# Altium PCB PCB1.PcbDoc
Units mm, origin at the board's own origin, x right, y up, seen from the top; angles counter-clockwise.
Board outline 70.99 x 60.45 mm, 2 copper layers (Top Layer, Bottom Layer), stack 1.671 mm thick; 39 components, 40 nets, 178 pads, 226 vias.
Unrouted connection lines stored in the file: 1.
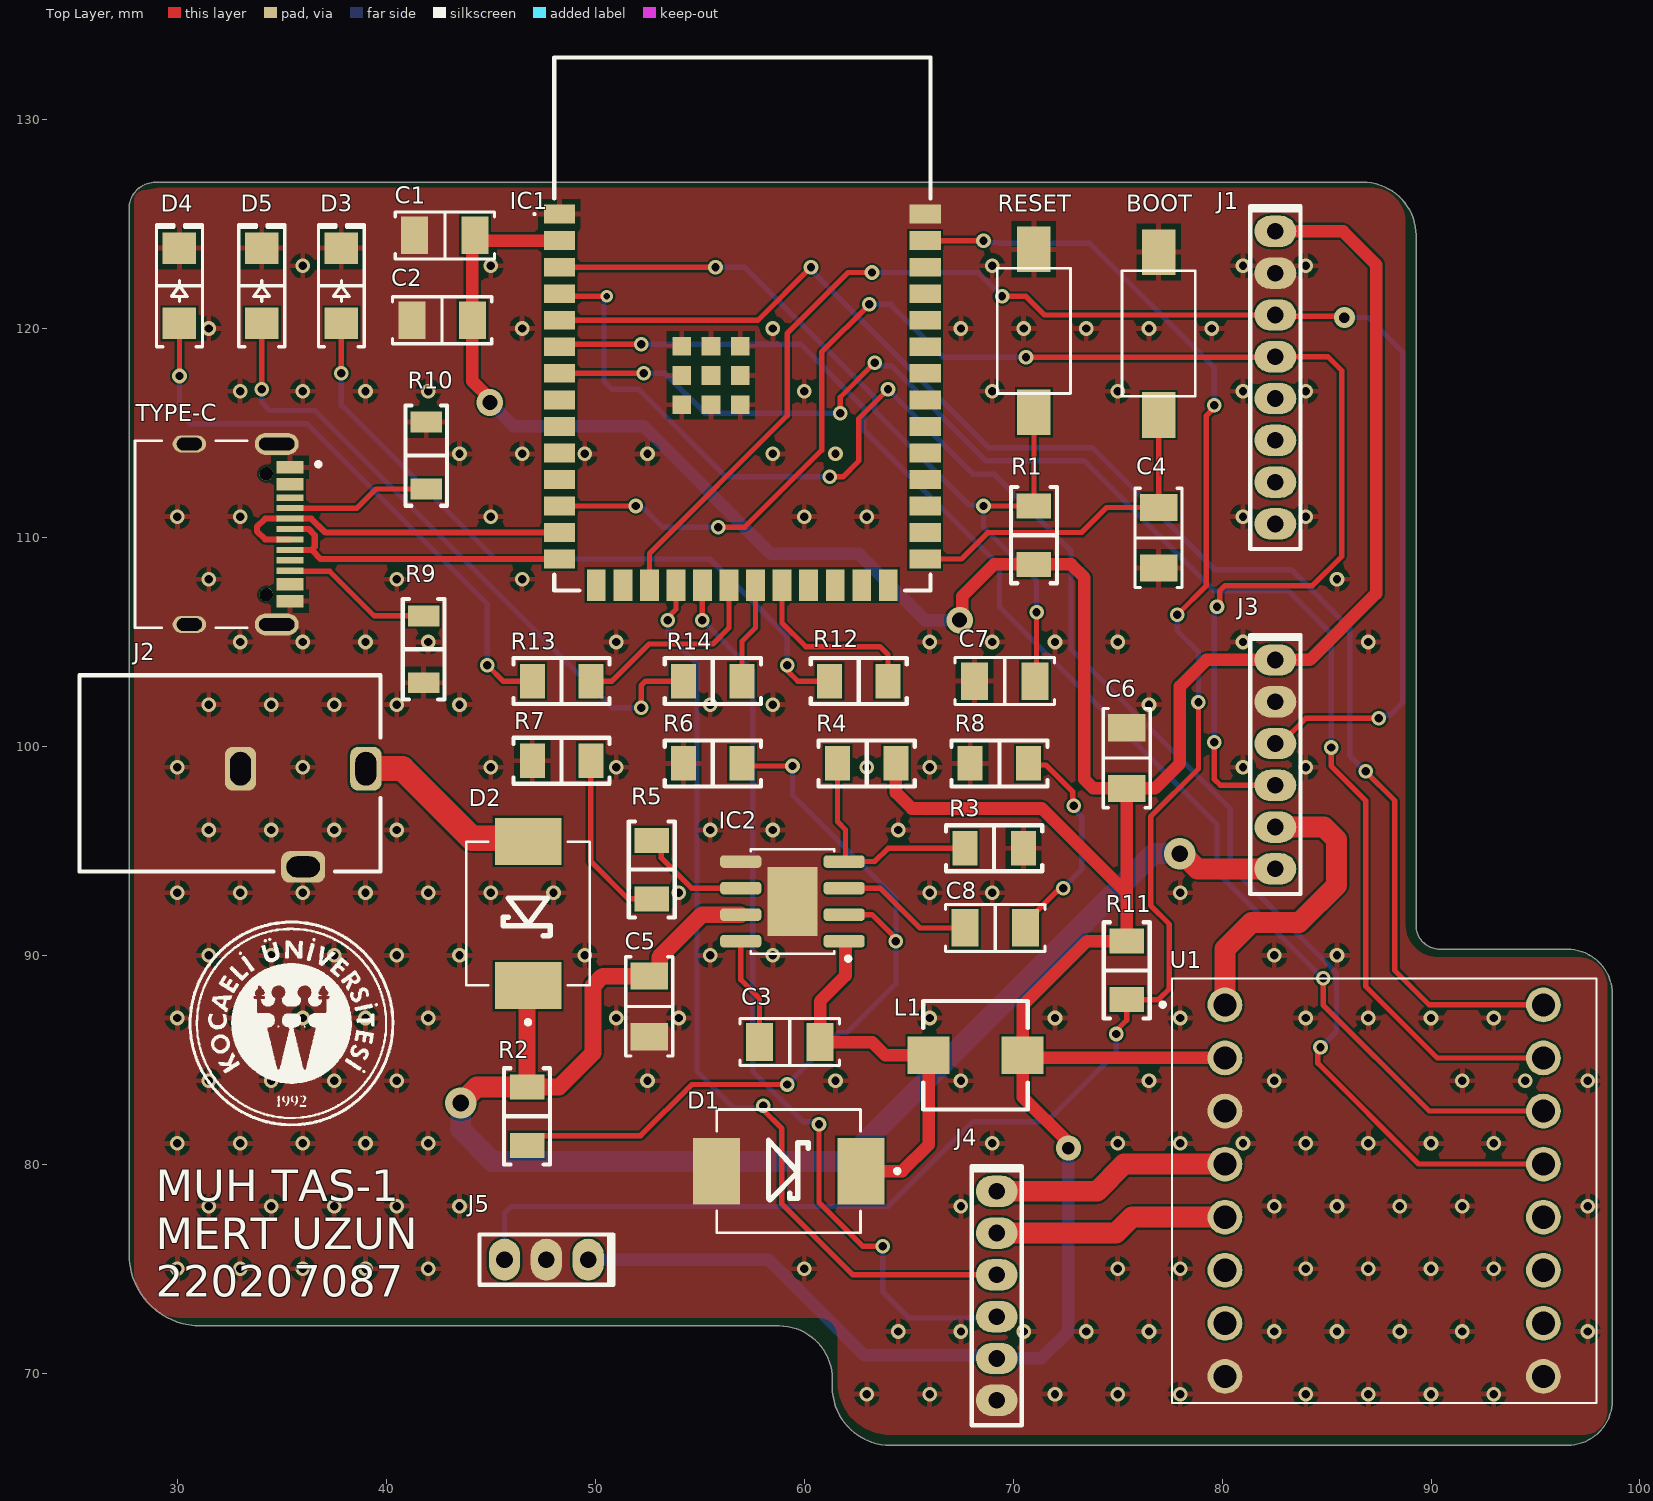
[diagram p0: Top Layer view]
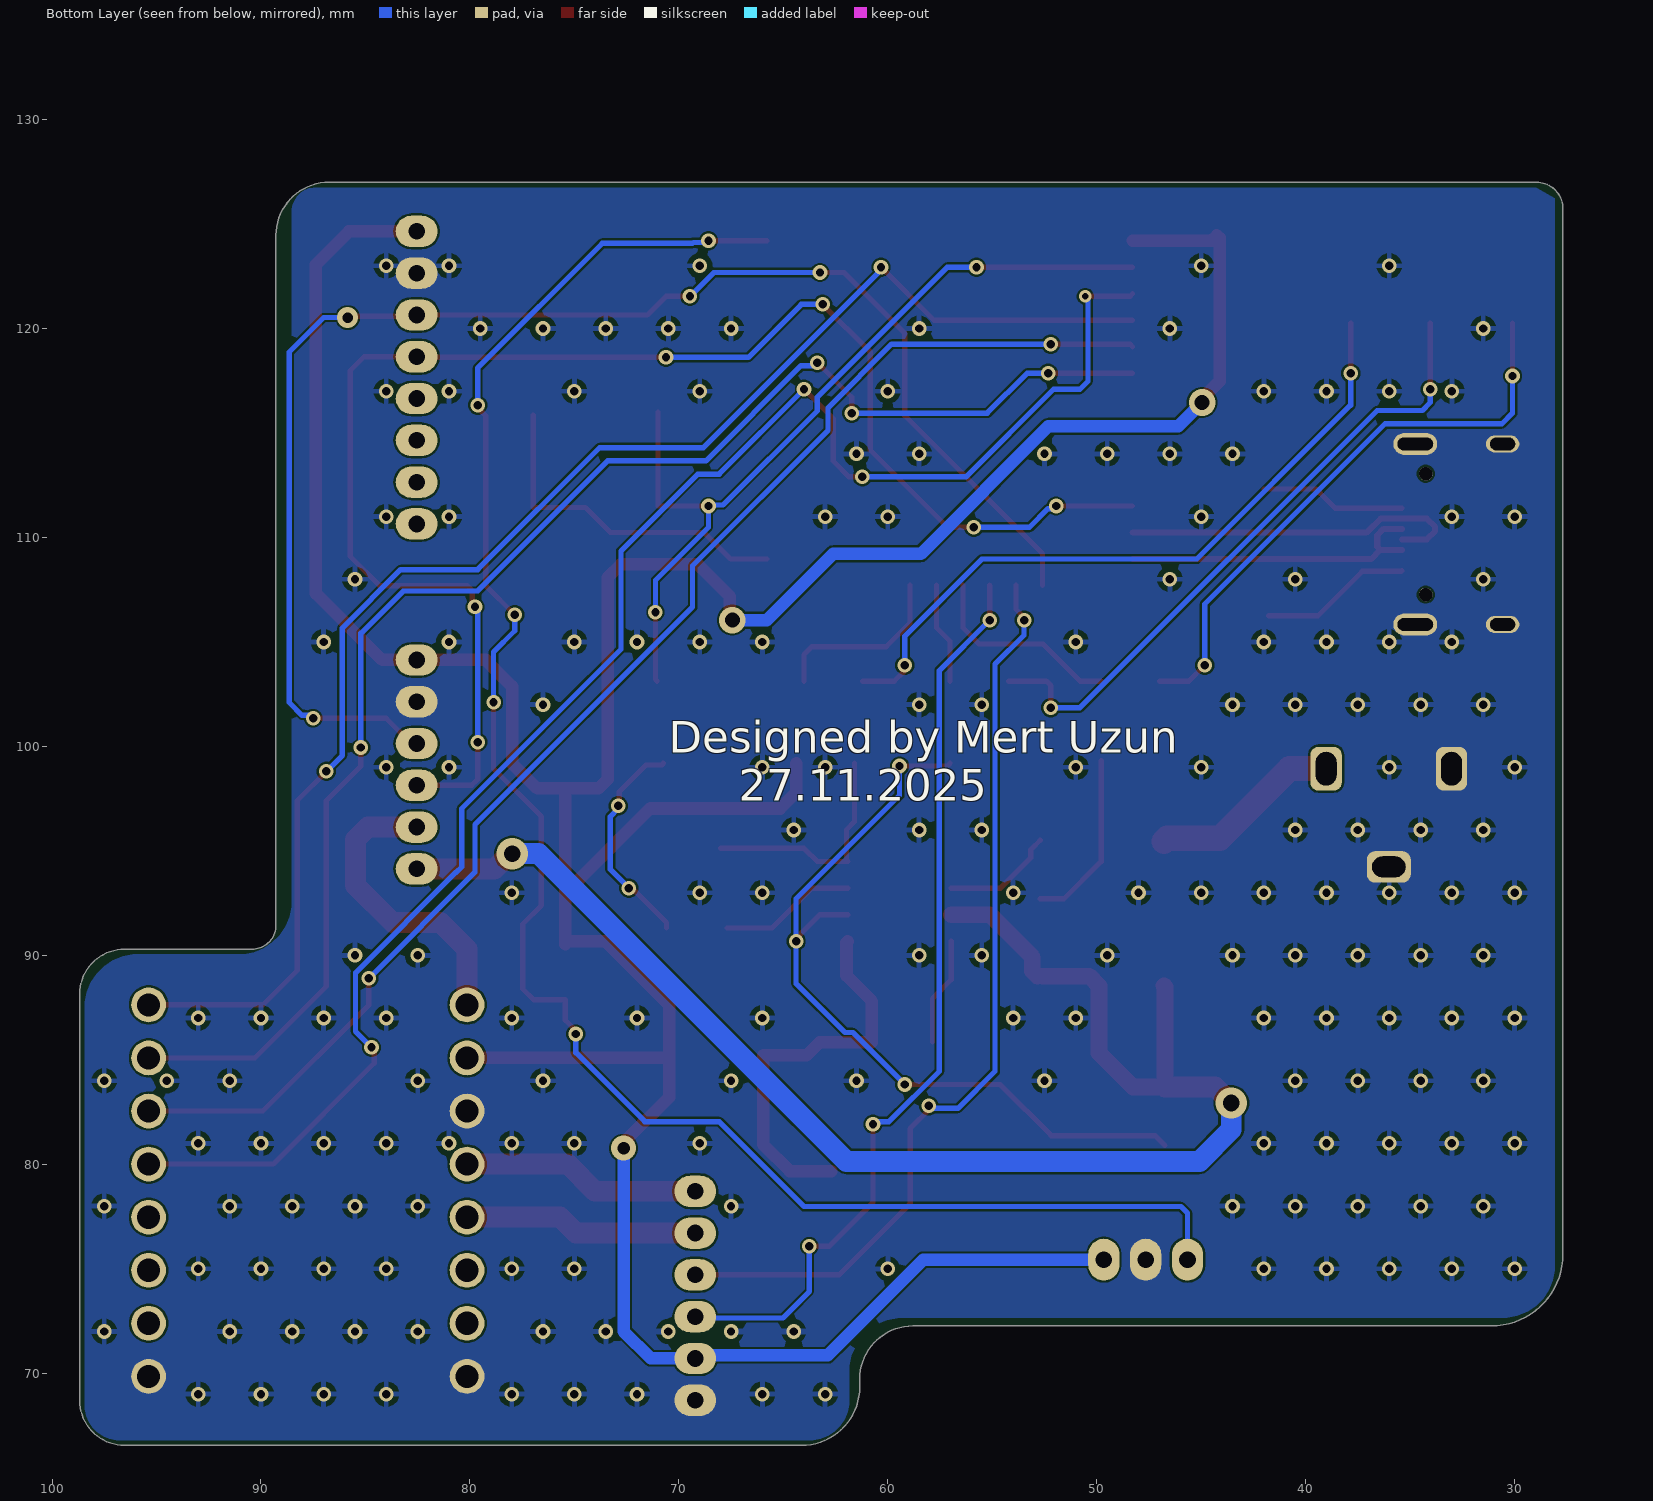
[diagram p1: Bottom Layer view, seen from below]
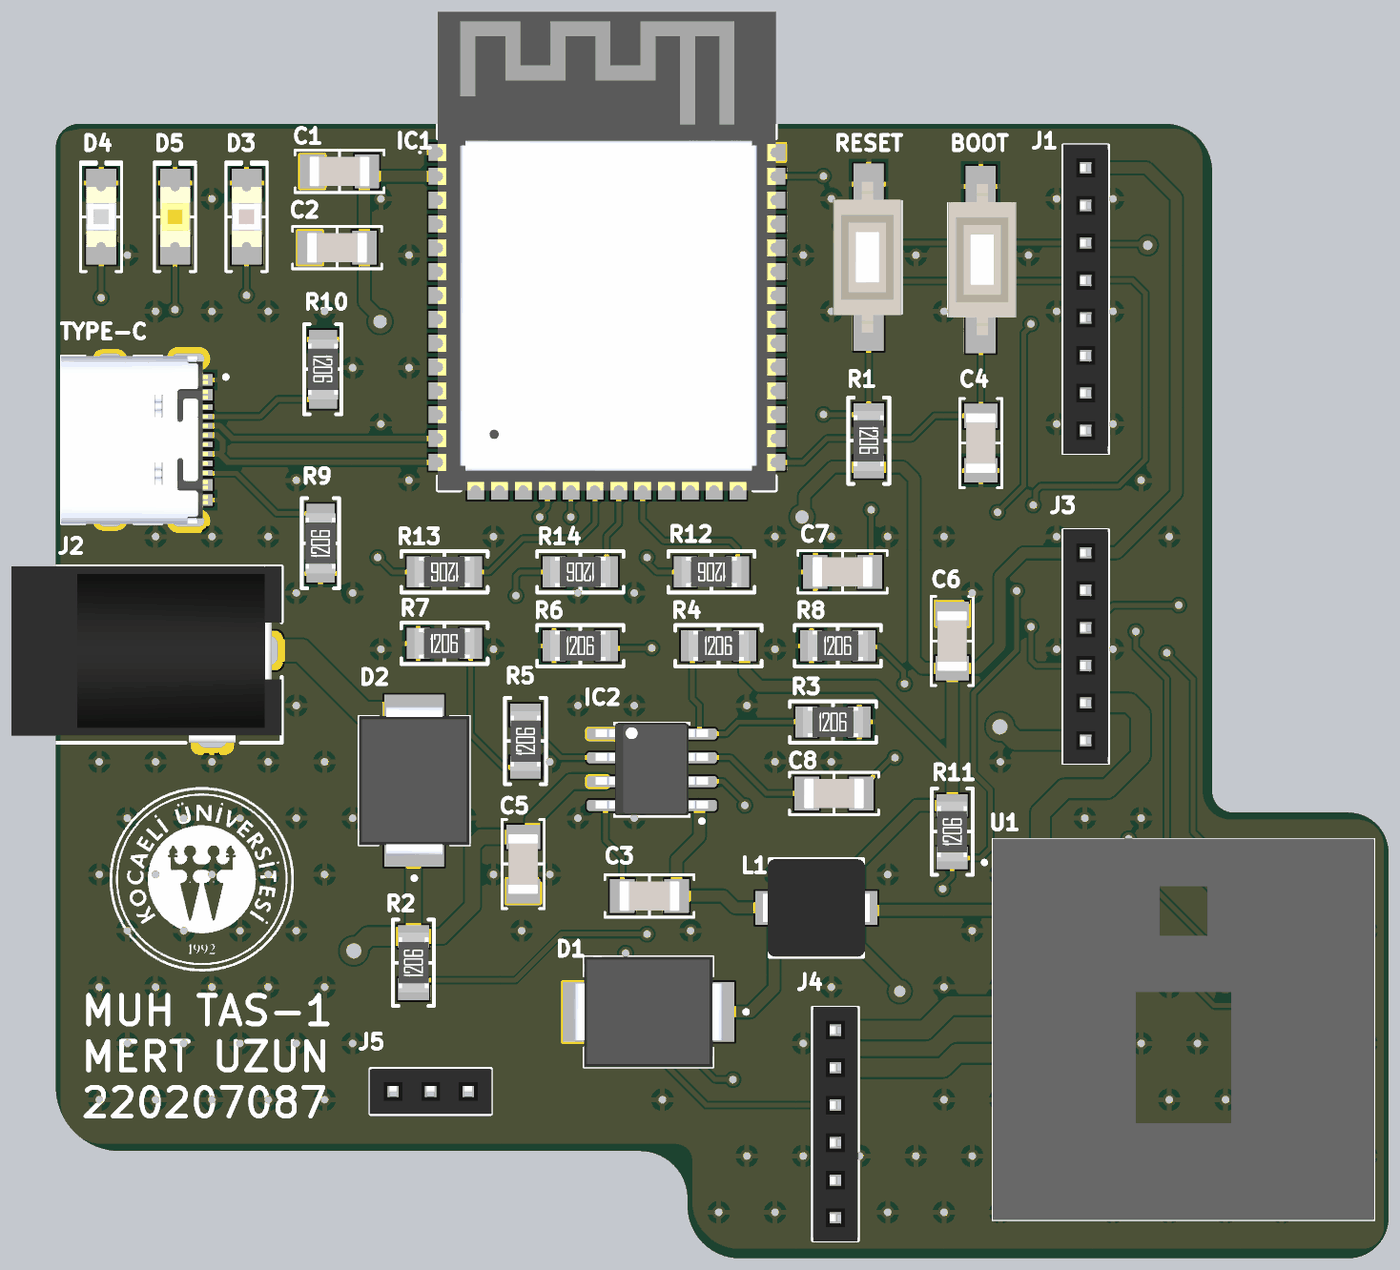
[diagram p2: 3D render of the assembled board from above, using the file's embedded part models]

## Layer stack, top to bottom
Top Solder: solder mask 0.0102, Solder Resist, Dk 3.5
Top Layer: signal copper 0.0356
Dielectric 1: dielectric 1.6, FR-4, Dk 4.8
Bottom Layer: signal copper 0.0356
Bottom Solder: solder mask 0.0102, Solder Resist, Dk 3.5

## Board outline
31.115,72.263 58.801,72.263 cw(c58.801,69.723) 61.341,69.723 61.341,69.342 ccw(c64.135,69.342) 64.135,66.548 96.52,66.548 ccw(c96.52,68.707) 98.679,68.707 98.679,88.138 ccw(c96.52,88.138) 96.52,90.297 90.424,90.297 cw(c90.424,91.44) 89.281,91.44 89.281,124.46 ccw(c86.741,124.46) 86.741,127 28.956,127 ccw(c28.956,125.73) 27.686,125.73 27.686,75.692 ccw(c31.115,75.692)

## Design rules (kind name [scope] priority, off if disabled: settings)
Clearance [All] p1: gap=0.1 ignorepadtopadclearanceinfootprint=FALSE
PolygonConnect [All] p1: connectstyle=Relief reliefconductorwidth=0.254 reliefentries=4 polygonreliefangle="90 Angle" airgapwidth=0.254
RoutingVias [All] p1: holewidth=0.6 width=1 viastyle="Through Hole" minholewidth=0.5 minwidth=0.5 maxholewidth=1 maxwidth=1.27
SolderMaskExpansion [All] p1: expansion=0.102 istentingtop=FALSE
SupplyNets "Schematic Supply Nets_2" [InNet('12V')] p1: voltage=0.000
SupplyNets "Schematic Supply Nets_1" [InNet('GND')] p2: voltage=0.000
SupplyNets "Schematic Supply Nets" [InNet('3.3V')] p3: voltage=0.000
Width [All] p1: maxlimit=1.5 minlimit=0.254 preferedwidth=0.254 minimp=50.000000 maximp=50.000000 favimp=50.000000
30 further rules are at their usual default settings.

## Classes and differential pairs
component class Sheet2: BOOT C1 C2 C3 C4 C5 C6 C7 C8 D1 D2 D3 D4 D5 IC1 IC2 J3 L1 R1 R2 R3 R4 R5 R6 R7 R8 R9 R10 R12 R13 R14 RESET TYPE-C U1

## Components (designator, comment, footprint, x,y, rotation, side; value= is the part's Value field where it differs from the comment)
BOOT "BOOT BUTTON" SW_1437566-3 76.962,119.761 r90 top (schematic designator SW1)
C1 "22 µF" "CAP 1206_3216 - 0.8MM" 42.799,124.46 r0 top
C2 "0.1 µF" "CAP 1206_3216 - 0.8MM" 42.672,120.396 r0 top
C3 "0.1 µF" "CAP 1206_3216 - 0.8MM" 59.309,85.852 r0 top
C4 "0.1 µF" "CAP 1206_3216 - 0.8MM" 76.962,109.982 r270 top
C5 "10 µF" "CAP 1206_3216 - 0.8MM" 52.582,87.556 r90 top
C6 "22 µF" "CAP 1206_3216 - 0.8MM" 75.438,99.441 r270 top
C7 "0.1 µF" "CAP 1206_3216 - 0.8MM" 69.596,103.124 r180 top
C8 "220 pF" "CAP 1206_3216 - 0.8MM" 69.141,91.313 r180 top
D1 "SS34" SS34 59.69,80.01 r180 top
D2 "SS34" SS34 47.117,91.567 r90 top
D3 "Red" "LED 1206_3216 RED" 37.846,122.047 r90 top
D4 "Green" "LED 1206_3216 GREEN" 30.099,122.047 r90 top
D5 "Yellow" "LED 1206_3216 YELLOW" 34.036,122.047 r90 top
IC1 "ESP32-S3-WROOM-1-N16" ESP32S3WROOM1N16 57.036,120.216 r0 top
IC2 "MP1584EN" MP1584EN 59.444,92.628 r180 top
J1 "MPU6050 Header" "SULLINS NPPN081BFCN" 82.55,117.649 r270 top
J2 "PJ-102AH" "CUI PJ-102AH" 32.52,98.933 r90 top
J3 "INA219 Header" "SULLINS NPPN061BFCN" 82.55,99.139 r270 top
J4 "DC Motor Header" "SULLINS NPPN061BFCN" 69.215,73.708 r270 top
J5 "DS18B20 Header" "SULLINS NPPN031BFCN" 47.657,75.438 r180 top
L1 "10 µH" "BOURNS SRP5030T" 68.199,85.217 r0 top
R1 "10 kOhms" "RES 1206_3216" 70.993,110.109 r270 top
R2 "100 kOhms" "RES 1206_3216" 46.736,82.296 r90 top
R3 "40.2 kOhms" "RES 1206_3216" 69.088,95.123 r0 top
R4 "124 kOhms" "RES 1206_3216" 62.989,99.187 r0 top
R5 "100 kOhms" "RES 1206_3216" 52.705,94.107 r90 top
R6 "24.9 kOhms" "RES 1206_3216" 55.626,99.187 r0 top
R7 "100 kOhms" "RES 1206_3216" 48.387,99.314 r0 top
R8 "68.1 kOhms" "RES 1206_3216" 69.342,99.187 r0 top
R9 "5.1 kOhms" "YAGEO RES 1206_3216" 41.783,104.648 r90 top
R10 "5.1 kOhms" "YAGEO RES 1206_3216" 41.91,113.919 r270 top
R11 "4.7 kOhms" "RES 1206_3216" 75.438,89.281 r90 top
R12 "1 kOhms" "RES 1206_3216" 62.611,103.124 r180 top
R13 "1 kOhms" "RES 1206_3216" 48.387,103.124 r180 top
R14 "1 kOhms" "RES 1206_3216" 55.626,103.124 r180 top
RESET "RESET_BUTTON" SW_1437566-3 70.993,119.888 r270 top (schematic designator SW2)
TYPE-C "Type-C 16 Pin" "Type-C 16 Pin" 31.623,110.236 r270 top (schematic designator TYPE-C1)
U1 "TB6612FNG" ROB14450 87.757,78.74 r270 top

## Footprints (in the part's own frame and the unit in brackets; to place one, negate y for a bottom-side part, rotate by r counter-clockwise, add the part's x,y. Pads: shape width x height; smd on the part's side, far side on the other; paste and mask are expansions set on the pad)
"BOURNS SRP5030T" [mm] "Precision Wire Wound Inductor, 2-Leads, Body 5.70x5.20mm, IPC Medium Density"
  rect 2x1.8 smd: 1(-2.25,0) 2(2.25,0)
  silkscreen extent -2.5,-2.6 2.5,2.6, body extent -2.85,-2.6 2.85,2.6, height 3
"CAP 1206_3216 - 0.8MM" [mm] "Chip Capacitor, 2-Leads, Body 3.25x1.60mm, IPC Medium Density"
  rect 1.3x1.8 smd: 1(-1.45,0) 2(1.45,0)
  silkscreen extent -2.37,-1.12 2.37,1.12, body extent -1.6,-0.8 1.6,0.8, height 0.8
"CUI PJ-102AH" [mm] "DC Barrel Jack W/ Switch 2.0x5.5"
  rrect50% 2.1x1.5 hole 1 slot 1.6 at 0 deg: 1(0,-6.5) 2(0,-0.5)
  rrect50% 1.5x2.1 hole 1 slot 1.6 at 90 deg: 3(-4.7,-3.5)
  silkscreen extent -4.92,-7.2 4.47,7.2, body extent -4.92,-7.2 4.47,7.2, height 11
ESP32S3WROOM1N16 [mm]
  rect 1.5x0.9 smd: 1(-8.75,5.26) 2(-8.75,3.99) 3(-8.75,2.72) 4(-8.75,1.45) 5(-8.75,0.18) 6(-8.75,-1.09) 7(-8.75,-2.36) 8(-8.75,-3.63) 9(-8.75,-4.9) 10(-8.75,-6.17) 11(-8.75,-7.44) 12(-8.75,-8.71) 13(-8.75,-9.98) 14(-8.75,-11.25) 27(8.75,-11.25) 28(8.75,-9.98) 29(8.75,-8.71) 30(8.75,-7.44) 31(8.75,-6.17) 32(8.75,-4.9) 33(8.75,-3.63) 34(8.75,-2.36) 35(8.75,-1.09) 36(8.75,0.18) 37(8.75,1.45) 38(8.75,2.72) 39(8.75,3.99) 40(8.75,5.26)
  rect 0.9x1.5 smd: 15(-6.985,-12.5) 16(-5.715,-12.5) 17(-4.445,-12.5) 18(-3.175,-12.5) 19(-1.905,-12.5) 20(-0.635,-12.5) 21(0.635,-12.5) 22(1.905,-12.5) 23(3.175,-12.5) 24(4.445,-12.5) 25(5.715,-12.5) 26(6.985,-12.5)
  rect 0.9x0.9 smd: 41(-1.5,-2.46) 42(-1.5,-1.06) 43(-2.9,-1.06) 44(-2.9,-2.46) 45(-2.9,-3.86) 46(-1.5,-3.86) 47(-0.1,-3.86) 48(-0.1,-2.46) 49(-0.1,-1.06)
  silkscreen extent -10,-12.75 9,12.75, body extent -9,-12.76 9,12.74, height 3.25
"LED 1206_3216 GREEN" [mm] "Chip Diode, 2-Leads, Body 3.13x1.55mm, IPC Medium Density"
  rect 1.5x1.6 smd: 1(-1.8,0) 2(1.8,0)
  silkscreen extent -2.92,-1.1 2.92,1.1, body extent -1.6,-0.8 1.6,0.8, height 0.9
"LED 1206_3216 RED" [mm] "Chip Diode, 2-Leads, Body 3.13x1.55mm, IPC Medium Density"
  rect 1.5x1.6 smd: 1(-1.8,0) 2(1.8,0)
  silkscreen extent -2.92,-1.1 2.92,1.1, body extent -1.6,-0.8 1.6,0.8, height 0.9
"LED 1206_3216 YELLOW" [mm] "Chip Diode, 2-Leads, Body 3.13x1.55mm, IPC Medium Density"
  rect 1.5x1.6 smd: 1(-1.8,0) 2(1.8,0)
  silkscreen extent -2.92,-1.1 2.92,1.1, body extent -1.6,-0.8 1.6,0.8, height 0.9
MP1584EN [mm]
  rrect54% 1.97x0.6 smd: 1(-2.467,1.95) 2(-2.467,0.68) 3(-2.467,-0.59) 4(-2.467,-1.86) 5(2.483,-1.86) 6(2.483,-0.59) 7(2.483,0.68) 8(2.483,1.95)
  rect 2.41x3.3 smd paste-3: 9(0.008,0.045)
  silkscreen extent -2.76,-2.45 2.01,2.88, body extent -2.99,-2.44 3.01,2.46, height 1.7
"RES 1206_3216" [mm] "Chip Resistor, 2-Leads, Body 3.13x1.55mm, IPC Medium Density"
  rect 1.2x1.65 smd: 1(-1.4,0) 2(1.4,0)
  silkscreen extent -2.3,-1.1 2.3,1.1, body extent -1.6,-0.8 1.6,0.8, height 0.6
ROB14450 [mm]
  round 1.665 hole 1.11: 1(-8.89,-7.62) 2(-6.35,-7.62) 3(-3.81,-7.62) 4(-1.27,-7.62) 5(1.27,-7.62) 6(3.81,-7.62) 7(6.35,-7.62) 8(8.89,-7.62) 9(-8.89,7.62) 10(-6.35,7.62) 11(-3.81,7.62) 12(-1.27,7.62) 13(1.27,7.62) 14(3.81,7.62) 15(6.35,7.62) 16(8.89,7.62)
  silkscreen extent -10.16,-10.7 10.16,10.16, body extent -10.16,-10.16 10.16,10.16, height 5.1
SS34 [mm]
  rect 2.25x3.18 smd: A(3.89,0.335) C(-3.02,0.335)
  silkscreen extent -4.86,-2.61 3.87,3.28, body extent -3.54,-2.61 4.41,3.28, height 2.65
"SULLINS NPPN031BFCN" [mm]
  oval 1.5x2 hole 0.8: 1(-2,0) 2(0,0) 3(2,0)
  silkscreen extent -3.2,-1.2 3.2,1.2, body extent -3.25,-1.2 3.25,1.2, height 4.41
"SULLINS NPPN061BFCN" [mm]
  oval 1.5x2 hole 0.8: 1(-5,0) 2(-3,0) 3(-1,0) 4(1,0) 5(3,0) 6(5,0)
  silkscreen extent -6.2,-1.2 6.2,1.2, body extent -6.25,-1.2 6.25,1.2, height 4.41
"SULLINS NPPN081BFCN" [mm]
  oval 1.5x2 hole 0.8: 1(-7,0) 2(-5,0) 3(-3,0) 4(-1,0) 5(1,0) 6(3,0) 7(5,0) 8(7,0)
  silkscreen extent -8.2,-1.2 8.2,1.2, body extent -8.25,-1.2 8.25,1.2, height 4.41
SW_1437566-3 [mm]
  rect 2.18x1.6 smd: 1(-3.9,0) 2(3.9,0)
  silkscreen extent -3,-1.75 3,1.75, body extent -4.03,-1.9 4.03,1.76, height 2.51
"Type-C 16 Pin" [mm]
  rect 0.6x1.3 smd: A1_B12(-3.119,3.771) A4_B9(-2.319,3.771) B1_A12(3.281,3.771) B4_A9(2.481,3.771)
  rect 0.3x1.3 smd: A5(-1.169,3.771) A6(-0.169,3.771) A7(0.331,3.771) A8(1.331,3.771) B5(1.831,3.771) B6(0.831,3.771) B7(-0.669,3.771) B8(-1.669,3.771)
  oval 1.05x2.1 hole 0.6 slot 1.7 at 90 deg: S1(-4.239,3.131) S2(4.401,3.131)
  oval 0.8x1.6 hole 0.6 slot 1.2 at 90 deg: S3(-4.239,-1.049) S4(4.401,-1.049)
  round 0.65 hole 0.65 unplated: ""(-2.809,2.631) ""(2.971,2.631)
  silkscreen extent -4.39,-3.65 4.55,5.22, body extent -4.39,-3.66 4.55,4.15, height 3.26
"YAGEO RES 1206_3216" [mm] "Chip Resistor, 2-Leads, Body 3.13x1.55mm"
  rect 1x1.5 smd: 1(-1.6,0) 2(1.6,0)
  silkscreen extent -2.4,-1 2.4,1, body extent -1.6,-0.8 1.6,0.8, height 0.6

## Part data
BOOT: library part RESET_BUTTON
C1: library part CL31A226KOCLFNC, "CAP CER 22UF 16V X5R 1206", Device Package="1206 (3216 Metric)", manufacturer="Samsung Electro-Mechanics", Operating Temperature="-55°C ~ 85°C", Supplier Part Number 1=1276-2725-1-ND, Temperature Coefficient=X5R, Tolerance=±10%, Voltage - Rated=16V, Applications="General Purpose", Capacitance="22 µF", componentlink1description=Datasheet, componentlink1url=http://www.samsungsem.com/kr/support/product-search/mlcc/CL31A226KOCLFNC.jsp, componentlink2description="DigiKey Link", componentlink2url=https://www.digikey.com/en/products/detail/samsung-electro-mechanics/CL31A226KOCLFNC/3888383, lastupdated="4.06.2024 19:10:41", Lifecycle Status=Active, Minimum Order=1, Mounting Type="Surface Mount, MLCC", Package / Case="1206 (3216 Metric)", packaging=TapeAndReel, Part Number=CL31A226KOCLFNC, Part Status=Active, partid=18940, price=0.09, series=CL, Size / Dimension="0.126\" L x 0.063\" W (3.20mm x 1.60mm)", Supplier 1=DigiKey, Thickness (Max)="0.037\" (0.95mm)"
C2 C3 C4 C7: library part 1206B104J101N, "MLCC 1206 100V 100NF X7R", Device Package="1206 (3216 Metric)", manufacturer="Knowles Novacap", Operating Temperature="-55°C ~ 125°C", Supplier Part Number 1=1763-1206B104J101N-ND, Temperature Coefficient=X7R, Tolerance=±5%, Voltage - Rated=100V, Applications="SMPS Filtering", Capacitance="0.1 µF", componentlink1description=Datasheet, componentlink1url=https://www.knowlescapacitors.com/getattachment/ddd08fe0-16c1-4f86-944e-edc3fc04fb57/X7R.pdf, componentlink2description="DigiKey Link", componentlink2url=https://www.digikey.com/en/products/detail/knowles-novacap/1206B104J101N/22208472, lastupdated="4.06.2024 19:09:54", Lifecycle Status=Active, Minimum Order=1, Mounting Type="Surface Mount, MLCC", Package / Case="1206 (3216 Metric)", packaging=Bulk, Part Number=1206B104J101N, partid=59278, price=0.25, series=-, Size / Dimension="0.126\" L x 0.063\" W (3.20mm x 1.60mm)", Supplier 1=DigiKey, Thickness (Max)="0.064\" (1.63mm)"
C5: library part EMK316BJ106MD-T, "CAP CER 10UF 16V X5R 1206", Device Package="1206 (3216 Metric)", manufacturer="Taiyo Yuden", Operating Temperature="-55°C ~ 85°C", Supplier Part Number 1=587-4881-1-ND, Temperature Coefficient=X5R, Tolerance=±20%, Voltage - Rated=16V, Applications="SMPS Filtering", Capacitance="10 µF", componentlink1description=Datasheet, componentlink1url=http://www.yuden.co.jp/productdata/catalog/mlcc06_e.pdf, componentlink2description="DigiKey Link", componentlink2url=https://www.digikey.com/en/products/detail/taiyo-yuden/EMK316BJ106MD-T/6563474, lastupdated="4.06.2024 19:10:41", Lifecycle Status=Active, Minimum Order=1, Mounting Type="Surface Mount, MLCC", Package / Case="1206 (3216 Metric)", packaging=TapeAndReel, Part Number=EMK316BJ106MD-T, Part Status=Active, partid=18996, price=0.04, series=M, Size / Dimension="0.126\" L x 0.063\" W (3.20mm x 1.60mm)", Supplier 1=DigiKey, Thickness (Max)="0.037\" (0.95mm)"
C6: library part CL31A226MOCLNNC, "CAP CER 22UF 16V X5R 1206", Device Package="1206 (3216 Metric)", manufacturer="Samsung Electro-Mechanics", Operating Temperature="-55°C ~ 85°C", Supplier Part Number 1=1276-2728-1-ND, Temperature Coefficient=X5R, Tolerance=±20%, Voltage - Rated=16V, Applications="General Purpose", Capacitance="22 µF", componentlink1description=Datasheet, componentlink1url=http://www.samsungsem.com/kr/support/product-search/mlcc/CL31A226MOCLNNC.jsp, componentlink2description="DigiKey Link", componentlink2url=https://www.digikey.com/en/products/detail/samsung-electro-mechanics/CL31A226MOCLNNC/3888386, Features="Low Profile", lastupdated="4.06.2024 19:10:40", Lifecycle Status=Active, Minimum Order=1, Mounting Type="Surface Mount, MLCC", Package / Case="1206 (3216 Metric)", packaging=TapeAndReel, Part Number=CL31A226MOCLNNC, Part Status=Active, partid=19106, price=0.04, series=CL, Size / Dimension="0.126\" L x 0.063\" W (3.20mm x 1.60mm)", Supplier 1=DigiKey, Thickness (Max)="0.037\" (0.95mm)"
C8: library part AC1206JRNPOBBN221, "CAP CER 220PF 500V C0G/NPO 1206", Device Package="1206 (3216 Metric)", manufacturer=Yageo, Operating Temperature="-55°C ~ 125°C", Ratings=AEC-Q200, Supplier Part Number 1=311-3212-1-ND, Temperature Coefficient="C0G, NP0", Tolerance=±5%, Voltage - Rated=500V, Applications=Automotive, Capacitance="220 pF", componentlink1description=Datasheet, componentlink1url=http://www.yageo.com/NewPortal/_en/search/productDocs.jsp?YageoPartNumber=AC1206JRNPOBBN221, componentlink2description="DigiKey Link", componentlink2url=https://www.digikey.com/en/products/detail/yageo/AC1206JRNPOBBN221/6643198, lastupdated="4.06.2024 19:10:39", Lifecycle Status=Active, Minimum Order=1, Mounting Type="Surface Mount, MLCC", Package / Case="1206 (3216 Metric)", packaging=TapeAndReel, Part Number=AC1206JRNPOBBN221, Part Status=Active, partid=18707, price=0.08, series=AC, Size / Dimension="0.126\" L x 0.063\" W (3.20mm x 1.60mm)", Supplier 1=DigiKey, Thickness (Max)="0.028\" (0.70mm)"
D3: library part 24-21SURC/S530-A2/TR8, "LED RED CLEAR 2SMD", Current - Test=20mA, Device Package="1206 (3216 Metric)", Lens Color=Colorless, manufacturer="Everlight Electronics Co Ltd", Millicandela Rating=39mcd, Supplier Device Package=2-SMD, Supplier Part Number 1=1080-1594-1-ND, Voltage - Forward (Vf) (Typ)=2V, Color=Red, componentlink1description=Datasheet, componentlink1url=//media.digikey.com/pdf/Data%20Sheets/Everlight%20PDFs/24-21SURC-S530-A2-TR8.pdf, componentlink2description="DigiKey Link", componentlink2url=https://www.digikey.com/en/products/detail/everlight-electronics-co-ltd/24-21SURC-S530-A2-TR8/8535288, Configuration=Standard, Height (Max)=1.20mm, lastupdated="3.06.2024 20:00:41", Lens Size="1.60mm Dia", Lens Style="Round with Flat Top", Lens Transparency=Clear, Lifecycle Status=Active, Minimum Order=1, Mounting Type="Surface Mount", Package / Case="1206 (3216 Metric)", packaging=TapeAndReel, Part Number=24-21SURC/S530-A2/TR8, Part Status=Active, partid=180, price=0.06, series=-, Size / Dimension="3.20mm L x 1.60mm W", Supplier 1=DigiKey, Viewing Angle=130°, Wavelength - Dominant=624nm, Wavelength - Peak=632nm
D4: library part XZVG55W-A2, "LED GREEN CLEAR 2SMD", Current - Test=20mA, Device Package="1206 (3216 Metric)", Lens Color=Colorless, manufacturer=SunLED, Millicandela Rating=98mcd, Supplier Device Package=2-SMD, Supplier Part Number 1=1497-1403-1-ND, Voltage - Forward (Vf) (Typ)=2.1V, Color=Green, componentlink1description=Datasheet, componentlink1url=https://www.sunledusa.com/products/spec/XZVG55W-A2.pdf, componentlink2description="DigiKey Link", componentlink2url=https://www.digikey.com/en/products/detail/sunled/XZVG55W-A2/4902120, Configuration=Standard, Height (Max)=1.10mm, lastupdated="3.06.2024 19:59:12", Lens Size="1.60mm Dia", Lens Style="Round with Flat Top", Lens Transparency=Clear, Lifecycle Status=Active, Minimum Order=1, Mounting Type="Surface Mount", Package / Case="1206 (3216 Metric)", packaging=TapeAndReel, Part Number=XZVG55W-A2, Part Status=Active, partid=523, price=0.07, series=-, Size / Dimension="3.20mm L x 1.60mm W", Supplier 1=DigiKey, Viewing Angle=70°, Wavelength - Dominant=570nm, Wavelength - Peak=574nm